# Altium PCB 75100_407_v5.0.PcbDoc (part 2 of 2)
Units mil, origin at the board's own origin, x right, y up, seen from the top; angles counter-clockwise.
Board outline 2985 x 1655 mil, 4 copper layers (Top Layer, Signal Layer 1, Signal Layer 2, Bottom Layer), stack 30.634 mil thick; 141 components, 93 nets, 559 pads, 408 vias.
Unrouted connection lines stored in the file: 2.
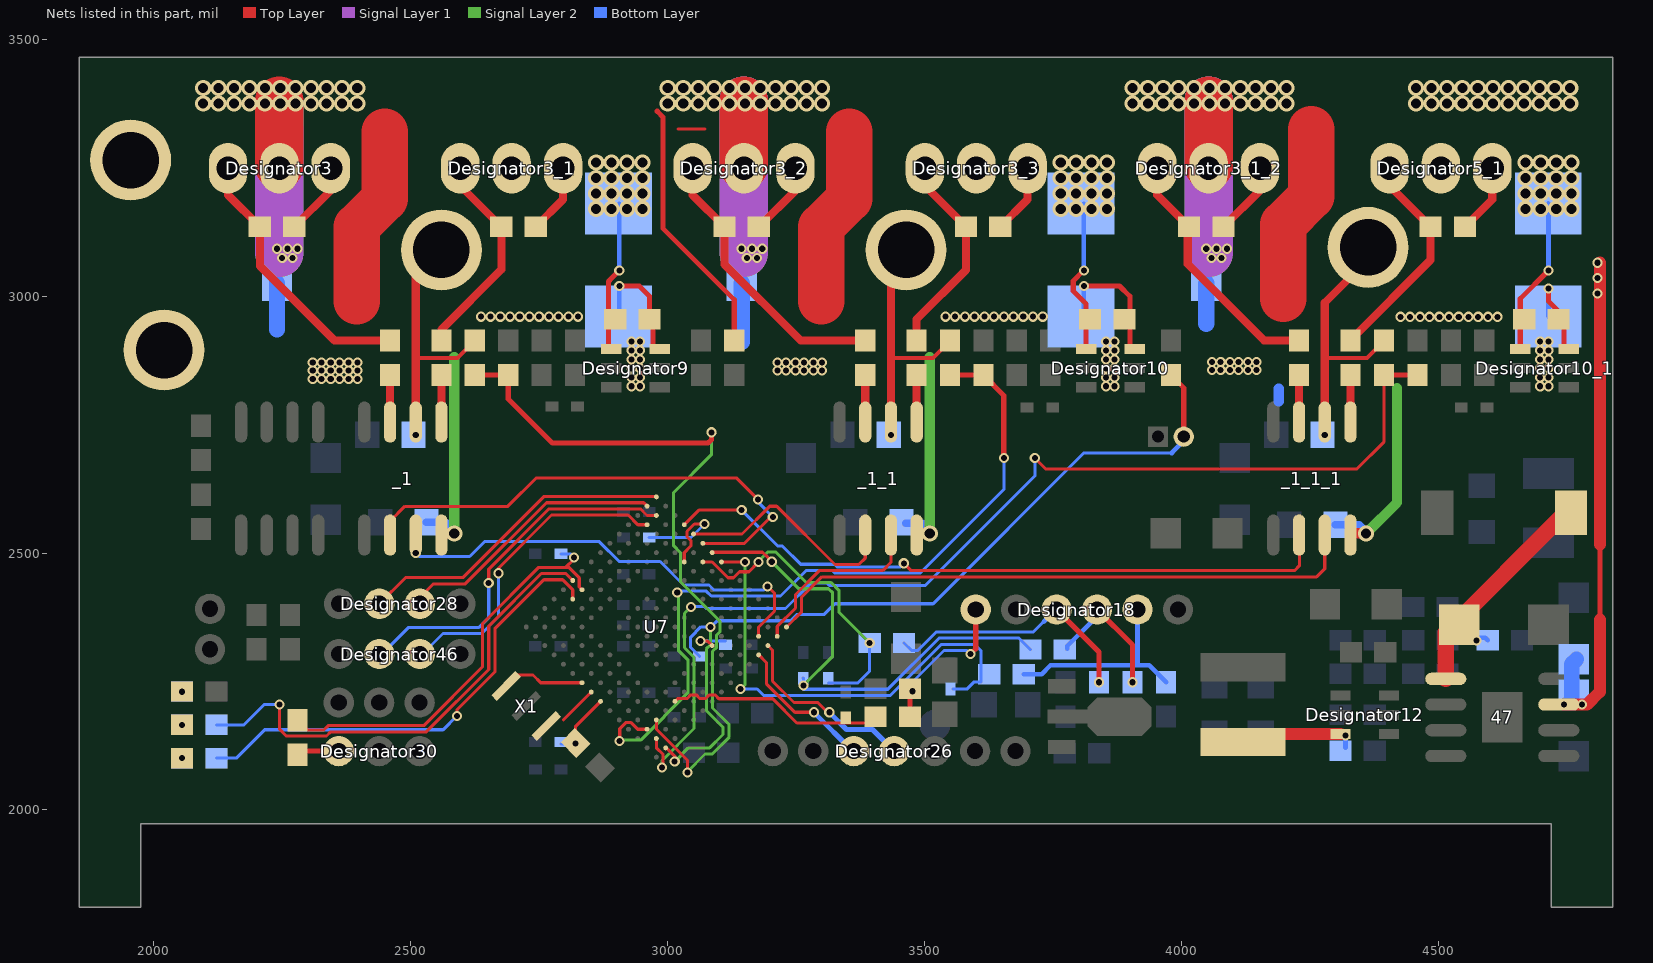
[diagram p4: the nets of this part, all layers, seen from the top]

## Via types
v1: diameter 19.68, hole 11.81, Top Layer to Bottom Layer, 253 vias
v2: diameter 31.5, hole 19.68, Top Layer to Bottom Layer, 155 vias

## Nets (pads, with @x,y where several pads share a name; then routed paths per layer and width w, separated by ;. In a path a pad name is that pad's centre, name@x,y a point inside that pad or via, vN(x,y) a via of type N, cw(c..) or ccw(c..) an arc to the next point about the centre after c; other vN are vias at no path point) (continued)
H1: _1.2@2460,2535 U7.F15 | length 972.1
  Top Layer w6: _1.2@2460,2562.03 2488.76,2590.79 2689.38,2590.79 2744.98,2646.39 3134.11,2646.39 v1(3176.5,2604) ; U7.F15@3068.86,2518.86 3149.94,2518.86 3201.08,2570 v1(3205,2570)
  Bottom Layer w6: v1(3176.5,2604) 3176.5,2598.5 v1(3205,2570)
H2: _1_1.2@3385,2535 U7.E15 | length 453.7
  Top Layer w6: U7.E15@3050.76,2536.95 3144.95,2536.95 3198.95,2590.95 3212.56,2590.95 3325.95,2477.57 3372.57,2477.57 3385,2490 _1_1.2@3385,2535
H3: _1_1_1.2@4229.41,2535 U7.D15 | length 1327.8
  Top Layer w6: U7.D15@3032.67,2555.05 3061.12,2583.5 v1(3144.5,2583.5) ; v1(3460,2480) 3474.43,2465.57 4220.57,2465.57 4230,2475 4230,2534.41 _1_1_1.2@4229.41,2535
  Bottom Layer w6: v1(3144.5,2583.5) 3214.5,2513.5 3223.68,2513.5 3259.11,2478.08 3325.13,2478.08 3330.05,2473.16 3453.16,2473.16 v1(3460,2480)
ha1: 3_7.2 37.2 Designator18.5 | length 411
  Bottom Layer w9: 3_7.2@3693.46,2264.18 3728.31,2264.18 3745.55,2281.42 3937.61,2281.42 37.2@3970.56,2248.46 ; Designator18.5@3905.65,2390 Designator18.5@3914.96,2390 Designator18.5@3914.96,2390 3915,2286.19
ha2: 3_6.2 38.2 Designator18.4 | length 269.9
  Top Layer w10: Designator18.4@3836.22,2390 3905,2321.22 v1(3905,2248.46)
  Bottom Layer w9: 3_6.2@3778.46,2314 3778.46,2319 3836.22,2376.76 Designator18.4@3836.22,2390
ha3: 3_5.1 39.2 Designator18.3 | length 511.3
  Top Layer w10: Designator18.3@3757.48,2390 3840,2307.48 v1(3840,2248.46)
  Bottom Layer w6: 3_5.1@3460.56,2325 3475.25,2310.31 3487.47,2310.31 3523.75,2346.59 3712.53,2346.59 3732.1,2366.16
  Bottom Layer w9: 3732.1,2366.16 Designator18.3@3756.71,2390.77
hall1: 3_7.1 Designator44.1 U7.H15 | length 941.9
  Top Layer w6: U7.H15@3105.05,2482.67 v1(3151.17,2482.67)
  Signal Layer 2 w6: v1@3142.5,2230.85 v1(3142.5,2235.35) 3151.17,2244.01 v1(3151.17,2482.67)
  Bottom Layer w6: v1(3142.5,2235.35) 3174.65,2235.35 3187.26,2222.74 3433.84,2222.74 3533.41,2322.31 3597.8,2322.31 3610,2310.11 3610,2248.54 3596.17,2248.54 3582.63,2235 Designator44.1@3555.87,2235
hall2: 3_6.1 Designator45.1 U7.G15 | length 986.1
  Top Layer w6: U7.G15@3086.95,2500.76 3087.7,2501.51 3184.8,2501.51 3195.84,2490.47 3195.84,2490.16 v1(3203,2483)
  Signal Layer 2 w6: v1(3203,2483) 3255.5,2430.5 3313.6,2430.5 3321.49,2422.61 3321.49,2298.91 v1(3264.58,2242)
  Bottom Layer w6: Designator45.1@3264.04,2256.34 3265.08,2255.3 3265.08,2234.74 3428.87,2234.74 3528.72,2334.59 3683.95,2334.59 3_6.1@3706.54,2312
hall3: 3_5.2 Designator43.1 U7.G14 | length 602
  Top Layer w6: U7.G14@3068.86,2482.67 3087.02,2482.67 3117.86,2451.82 3128.43,2451.82 3140.1,2463.5 3158.65,2463.5 3177,2481.85 v1(3177,2482.67)
  Signal Layer 2 w6: v1(3177,2482.67) 3177,2483.65 3195.2,2501.84 3210.8,2501.84 3270.15,2442.5 3318.57,2442.5 3333.49,2427.58 3333.49,2385.14 v1(3393.63,2325)
  Bottom Layer w6: Designator43.1@3313.5,2246.74 3370,2246.74 3393.63,2270.37 v1(3393.63,2325)
L1: _1.3 U7.P13 | length 892
  Top Layer w6: U7.P13@3177.43,2337.91 3177.43,2356.06 3208.27,2386.91 3208.27,2421.73 v1(3195,2435)
  Top Layer w7.87: v1(2510,2500) _1.3@2510,2535
  Bottom Layer w6: v1(2510,2500) 2516.84,2493.16 2614.93,2493.16 2643.89,2522.12 2867.21,2522.12 2905.84,2483.5 2985.65,2483.5 3031.3,2437.84 3080.72,2437.84 3090.4,2428.16 3188.16,2428.16 v1(3195,2435)
L2: _1_1.3 U7.R14 | length 361
  Top Layer w6: U7.R14@3213.62,2337.9 3213.62,2357.13 3249.16,2392.66 3249.16,2419.22 3295.51,2465.57 3418.75,2465.57 3435,2481.82 _1_1.3@3435,2535
L3: _1_1_1.3 U7.R15 | length 1177.1
  Top Layer w6: U7.R15@3231.72,2356 3261.16,2385.44 3261.16,2414.25 3300.48,2453.57 4263.57,2453.57 4279.41,2469.41 _1_1_1.3@4279.41,2535
ledb: 3.1@2055,2230.61 44.1
  other v1: 2055,2230
ledg: 4.1@2055,2165.61 43.1
  other v1: 2055,2165.61
ledgreen: 43.2 U7.A6 | length 954.5
  Top Layer w6: v1(2245,2205) 2245,2156.64 2257.83,2143.81 2336.38,2143.81 2344.51,2151.94 2530.62,2151.94 2652,2273.32 2652,2357.62 2754.38,2460 2802,2460 U7.A6@2815.52,2446.48
  Bottom Layer w6: 43.2@2121.93,2165.61 2175.61,2165.61 2215,2205 v1(2245,2205) v1@2250,2205
ledr: 5.1@2055,2100.61 42.1
  other v1: 2055,2100.61
ledred: 42.2 U7.B5 | length 919.9
  Top Layer w6: v1(2590,2182.63) 2590,2194.35 2664,2268.35 2664,2352.65 2759.35,2448 2795.84,2448 2815.52,2428.32 U7.B5@2815.52,2410.29
  Bottom Layer w6: 42.2@2121.93,2100.61 2160.61,2100.61 2216,2156 2563.37,2156 v1(2590,2182.63)
nrf_rx: Designator46.3 U7.B13 | length 637
  Top Layer w6: v1(2670.94,2460.57) 2670.94,2470.53 2774.3,2573.89 2923.41,2573.89 2942.25,2555.05 U7.B13@2960.29,2555.05
  Bottom Layer w6: Designator46.3@2517.95,2298.32 2562.97,2343.34 2638.31,2343.34 2670.94,2375.97 v1(2670.94,2460.57)
  Bottom Layer w9: Designator46.3@2517.95,2298.32 Designator46.3@2517.95,2303.32 Designator46.3@2517.95,2315.68
nrf_tx: Designator46.2 U7.B14 | length 719
  Top Layer w6: v1(2652,2441.45) 2652,2468.56 2769.33,2585.89 2947.47,2585.89 2960.22,2573.14 U7.B14@2978.38,2573.14
  Bottom Layer w6: Designator46.2@2439.21,2298.32 2496.23,2355.34 2633.34,2355.34 2652,2374 v1(2652,2441.45)
nrst: 32.2 Designator47.1 U7.J1 | length 131.2
  Top Layer w6: 32.2@2821.34,2130 2821.34,2162.76 U7.J1@2869.81,2211.24
  Bottom Layer w6: Designator47.1@2792.5,2128.05 v1@2821.34,2128.05
  Bottom Layer w9: v1@2821.34,2128.05 v1(2821.34,2129.12)
pc6: 
pc7: 
pc8: 
PGND: 1.2@3144.41,3020 2.2 30.1 31.1 34.1 ?.2 _1.2@2530.74,2560.15 _1.4 _1_1.2@3455.74,2560.15 _1_1.4 _1_1_1.2@4300.15,2555.15 _1_1_1.4 Designator9.3 Designator10.3 Designator10_1.3 pad.0@2020,2895 R11_1.1 R11_2.1 R11_3.1 | length 2246.5
  Top Layer w10: v1(2906.18,3020) 2945,3020 2965.09,2999.91 30.1@2965.09,2955 2971.92,2948.17 Designator9.3@2971.92,2897.4 ; v1(3810.59,3020) 3880,3020 3900,3000 Designator10.3@3900,2900 ; v1(4715,3015) 4715,2990 4734.58,2970.42 34.1@4734.58,2955 4745,2944.58 Designator10_1.3@4745,2900
  Top Layer w20: _1.4@2562.65,2537.65 v2@2584.97,2538.8 ; _1_1.4@3488.24,2538.24 v2(3510.59,2538.24) v2@3515.59,2538.24 ; _1_1_1.4@4332.65,2538.24 v2(4360,2538.24)
  Signal Layer 2 w20: v2@2585,2538.81 2585,2881.15 ; v2@3510.59,2538.81 3510.59,2881.15 ; v2(4360,2538.24) 4420,2598.24 4420,2821.42
  Bottom Layer w9: R11_1.1@2906.18,2960.76 v1(2906.18,3020) ; R11_3.1@3810.59,2960.76 v1(3810.59,3020) ; R11_2.1@4715,2960.76 v1(4715,3015)
  Bottom Layer w15: _1.2@2530.74,2560.15 2567.5,2560.15 v2@2585,2538.81 ; _1_1.2@3464.41,2558.14 3495.7,2558.14 v2@3515.59,2538.24 ; _1_1_1.2@4300.15,2555.15 4346.58,2555.15 4359.41,2542.32 v2@4359.41,2532.65
  Bottom Layer w20: 4190,2795 4190,2820
  Bottom Layer w31.5: 2240,2935 ?.2@2240,3025 ; 3144.41,2910.59 1.2@3144.41,3025 ; 4048.82,2946.18 2.2@4048.82,3025
  other v1: 2930.03,2824.63 2946.18,2824.63 3853.85,2824.63 3870,2824.63 4698.85,2824.63 4715,2824.63 2309.49,2838.85 2326.4,2838.85 2344.49,2838.85 2361.4,2838.85 2379.49,2838.85 2396.4,2838.85 2930.03,2841.54 2946.18,2841.54 3853.85,2841.54 3870,2841.54 4698.85,2841.54 4715,2841.54 2309.49,2855 2326.4,2855 2344.49,2855 2361.4,2855 2379.49,2855 2396.4,2855 3213.9,2855 3230.81,2855 3248.9,2855 3265.81,2855 3283.9,2855 3300.81,2855 4060,2856.02 4076.91,2856.02 4095,2856.02 4111.91,2856.02 4130,2856.02 4146.91,2856.02 2930.03,2859.63 2946.18,2859.63 3853.85,2859.63 3870,2859.63 4698.85,2859.63 4715,2859.63 2309.49,2871.15 2326.4,2871.15 2344.49,2871.15 2361.4,2871.15 2379.49,2871.15 2396.4,2871.15 3213.9,2871.15 3230.81,2871.15 3248.9,2871.15 3265.81,2871.15 3283.9,2871.15 3300.81,2871.15 4060,2872.18 4076.91,2872.18 4095,2872.18 4111.91,2872.18 4130,2872.18 4146.91,2872.18 2930.03,2876.54 2946.18,2876.54 3853.85,2876.54 3870,2876.54 4698.85,2876.54 4715,2876.54 2930.03,2894.63 2946.18,2894.63 3853.85,2894.63 3870,2894.63 4698.85,2894.63 4715,2894.63 2930.03,2911.54 2946.18,2911.54 3853.85,2911.54 3870,2911.54 4698.85,2911.54 4715,2911.54 2636.65,2960 2655.59,2960 2674.53,2960 2693.47,2960 2712.4,2960 2731.34,2960 2750.28,2960 2769.22,2960 2788.15,2960 2807.09,2960 2826.03,2960 3541.06,2960 3560,2960 3578.94,2960 3597.87,2960 3616.81,2960 3635.75,2960 3654.69,2960 3673.62,2960 3692.56,2960 3711.5,2960 3730.44,2960 4426.65,2959.84 4445.59,2959.84 4464.53,2959.84 4483.47,2959.84 4502.4,2959.84 4521.34,2959.84 4540.28,2959.84 4559.22,2959.84 4578.15,2959.84 4597.09,2959.84 4616.03,2959.84
  other v2: 2585,2538.24
ppm: 46.2 Designator30.1 | length 65.1
  Top Layer w10: 46.2@2295,2114.42 Designator30.1@2360.06,2114.42
rc1: U7.G1 X1.3 | length 162.7
  Top Layer w6: X1.3@2707.47,2262.4 2738.1,2262.4 2753.07,2247.43 U7.G1@2833.62,2247.43
  Top Layer w7.87: X1.3@2686.03,2240.95 X1.3@2707.47,2262.4
rc2: U7.H1 X1.1 | length 76.8
  Top Layer w6: 2797.38,2175 U7.H1@2851.72,2229.33
rx: Designator26.4 U7.R13 | length 371.2
  Top Layer w6: U7.R13@3195.52,2319.81 3204.34,2310.99 3204.34,2250.63 3246.13,2208.84 3292.8,2208.84 3311.65,2190 v1(3315,2190)
  Bottom Layer w10: v1@3315,2195 v1(3315,2190) 3348.58,2156.42 3399.29,2156.42 Designator26.4@3441.29,2114.42
S1: 7.1 8.1 U7.N3 | length 1483
  Top Layer w6: U7.N3@2978.38,2175.05 2978.91,2175.58 2978.91,2156.49 3039,2096.4 v1(3039,2072.5)
  Top Layer w10: 7.1@2625,2846.54 8.1@2690,2846.54 2690,2800 2775.84,2714.16 3079.1,2714.16 3085.5,2720.56 v1(3085.5,2735)
  Signal Layer 2 w6: v1(3039,2072.5) 3039,2074.5 3073.16,2108.66 3087.13,2108.66 3120.07,2141.6 3120.07,2166.04 3087.66,2198.46 3087.66,2308.54 3095.63,2316.51 3095.63,2340.53 3102.47,2347.38 3102.47,2366.68 3025.3,2443.84 3025.3,2500.7 3012.04,2513.96 3012.04,2617.75 3085.5,2691.21 v1(3085.5,2735) ; v1@3089.15,2732.5 v1@3092,2732.5
S2: 9.1 10.1 U7.N2 | length 1498.8
  Top Layer w6: v1(2906.61,2134) 2907.16,2134.55 2907.16,2158.05 2918.81,2169.7 2929.38,2169.7 2942.13,2156.95 U7.N2@2960.29,2156.95
  Top Layer w10: 9.1@3550,2846.54 10.1@3615,2846.54 3654.69,2806.85 v1(3654.69,2685)
  Signal Layer 2 w6: v1(2906.61,2134) 2908.45,2135.84 2947.82,2135.84 3039.66,2227.68 3039.66,2292.25 3021.16,2310.75 3021.16,2421.34 v1(3019,2423.5)
  Bottom Layer w6: v1(3019,2423.5) 3021.34,2425.84 3075.75,2425.84 3085.43,2416.16 3219.92,2416.16 3269.84,2466.08 3320.16,2466.08 3325.08,2461.16 3492.22,2461.16 3654.69,2623.63 v1(3654.69,2685)
S3: 11.1 12.1 U7.P2 | length 2133.6
  Top Layer w6: U7.P2@2978.38,2138.86 2978.38,2120.83 2991.5,2107.71 v1@2991.5,2085 ; v1(3715,2685) 3736.84,2663.16 4341.4,2663.16 4395,2716.76 11.1@4395,2846.54
  Top Layer w10: 11.1@4395,2846.54 12.1@4460,2846.54
  Signal Layer 2 w6: v1@2989.2,2085 2989.2,2095.78 3051.66,2158.25 3051.66,2297.22 3033.16,2315.72 3033.16,2382.66 v1(3045.5,2395)
  Bottom Layer w6: v1(3045.5,2395) 3048.34,2392.16 3052.03,2395.84 3071.8,2395.84 3075.49,2392.16 3229.86,2392.16 3279.78,2442.08 3310.22,2442.08 3315.14,2437.16 3502.16,2437.16 3715,2650 v1(3715,2685)
  other v1: 2989.2,2082.5
servo: 46.1 Designator33.1 U7.B6 | length 824.7
  Top Layer w6: 46.1@2284.29,2170 2298.49,2155.81 2331.41,2155.81 2339.54,2163.94 2525.65,2163.94 2640,2278.29 2640,2362.59 2749.41,2472 2802,2472 ; v1(2818,2491.5) 2818,2488 2802,2472 ; U7.B6@2833.62,2428.38 2828.27,2433.73 2828.27,2451.76 2808.03,2472 2802,2472
  Top Layer w10: 46.1@2280,2174.29 46.1@2284.29,2170
  Bottom Layer w6: Designator33.1@2792.5,2498.32 2811.18,2498.32 v1(2818,2491.5)
sw1: 13.1 14.2 47.5 _2.1@4596.54,2330 | length 453.8
  Top Layer w31.5: 47.5@4515,2255 4515,2345 4748,2578 13.1@4758.67,2578
  Bottom Layer w9: _2.1@4575,2335 4591.54,2335 _2.1@4596.54,2330
  other v1: 4575,2330
sw2: 16.1 19.2 Designator12.6 | length 198
  Top Layer w23.62: 16.1@4135.43,2147.6 Designator12.6@4310,2147.6
  Bottom Layer w10: 19.2@4320,2121.54 v1(4320,2145)
swclk: Designator28.3 U7.A14 | length 533.8
  Top Layer w6: Designator28.3@2517.95,2401.16 2517.95,2413.52 2544.38,2439.94 2606.42,2439.94 2764.36,2597.89 2953.63,2597.89 U7.A14@2960.29,2591.24
swdio: Designator28.2 U7.A15 | length 626.9
  Top Layer w6: Designator28.2@2439.21,2401.16 2490,2451.94 2601.44,2451.94 2759.89,2610.39 2978.38,2610.39 U7.A15@2978.38,2609.33
tm: 49.2 Designator34.1 U7.N5 | length 440.1
  Top Layer w6: U7.N5@3014.57,2211.24 3019.92,2216.58 3037.95,2216.58 3045.35,2223.99 3056.04,2223.99 3063.45,2216.58 3074.14,2216.58 3081.54,2223.99 3092.36,2223.99 3100.02,2216.33 3204.7,2216.33 3251.87,2169.16 49.2@3390.11,2169.16
  Top Layer w10: 49.2@3390.11,2169.16 3394.64,2173.69 49.2@3418.69,2173.69
tmos: 1.2@4005,2726.54 21_2.1 Designator41.2 U7.R2 | length 1678.2
  Top Layer w6: U7.R2@2996.48,2120.76 2997.66,2120.76 3015,2103.43 3014.04,2102.47 v1(3014.04,2093.98)
  Top Layer w10: 21_2.1@3980,2846.54 4005,2821.54 1.2@4005,2741.54
  Signal Layer 2 w6: v1(3014.04,2093.98) 3040.72,2120.66 3082.16,2120.66 3108.07,2146.57 3108.07,2161.07 3075.66,2193.49 3075.66,2313.51 3083.63,2321.48 v1@3083.63,2355.18
  Bottom Layer w6: Designator41.2@3062.52,2298.67 3045.16,2316.03 3045.16,2336.3 3065.03,2356.18 v1(3083.63,2356.18) 3084.63,2356.18 3096.6,2368.16 3239.8,2368.16 3252.22,2380.58 3305.25,2380.58 3325.83,2401.16 3517.07,2401.16 3810.91,2695 3981.68,2695 ; 1.2@4005,2718.32 1.2@4005,2726.54 1.2@4005,2741.54
  Bottom Layer w10: 3981.68,2695 1.2@4005,2718.32
tmot: 36.2 49.1 Designator18.1@3600,2390 | length 299.8
  Top Layer w10: 49.1@3471.93,2181.07 36.2@3471.93,2230.95 ; v1(3590,2303.46) 3600,2313.46 Designator18.1@3600,2390
  Bottom Layer w6: v1(3476.93,2230.95) 3476.93,2248.86 3538.38,2310.31 3583.16,2310.31 v1(3590,2303.46)
tx: Designator26.3 U7.R12 | length 285.6
  Top Layer w6: U7.R12@3177.43,2301.71 3192.34,2286.8 3192.34,2245.66 3248,2190 v1(3285,2190)
  Bottom Layer w10: v1@3284.85,2189.85 Designator26.3@3360.98,2113.73
U: 4.1@2273.46,3135 7.2 _1.2@2505.74,2730.15 _1.6 Designator3.3 Designator3_1.2 pad.0@2560,3090 | length 622.3
  Top Layer w7.87: 2510,2880 2591.54,2880 7.2@2625,2913.46
  Top Layer w15.75: 4.1@2273.46,3135 2344.49,3206.02 Designator3.3@2344.49,3248.98 ; _1.6@2510,2735 _1.6@2510,2755 2510,2880 pad.0@2510,3085
  other v1: 2510,2730
u_h: 3.1@2460,2846.54 _1.7 | length 111.5
  Top Layer w15.75: _1.7@2460,2735 3.1@2460,2846.54
u_l: 5.1@2560,2846.54 _1.5 | length 111.5
  Top Layer w15.75: _1.5@2560,2735 5.1@2560,2846.54
uh: 3.2@2460,2913.46 4.2@2206.54,3135 Designator3.1 | length 529.7
  Top Layer w15.75: Designator3.1@2144.49,3248.98 2144.49,3197.05 4.2@2206.54,3135 2206.54,3058.46 2351.54,2913.46 3.2@2460,2913.46
ul: 5.2@2560,2913.46 6.2 Designator3_1.1 | length 416.9
  Top Layer w15.75: 5.2@2560,2913.46 2560,2935 2676.54,3051.54 6.2@2676.54,3135 2596.69,3214.84 Designator3_1.1@2596.69,3248.98
UR: 6.1 30.2 Designator3_1.3 Designator9.4 R11_1.2 | length 429.5
  Top Layer w7.87: Designator9.4@2880,2897.4 Designator9.4@2885.34,2902.74
  Top Layer w10: Designator9.4@2885.34,2902.74 2885.34,3028.63 2887.95,3031.24 2887.95,3031.77 v1(2906.18,3050)
  Top Layer w15.75: 6.1@2743.46,3135 2796.69,3188.23 Designator3_1.3@2796.69,3248.98
  Bottom Layer w9: v1(2906.18,3050) R11_1.2@2906.18,3180.05
  other v2: 2861.18,3170 2891.18,3170 2921.18,3170 2951.18,3170 2861.18,3200 2891.18,3200 2921.18,3200 2951.18,3200 2861.18,3230 2891.18,3230 2921.18,3230 2951.18,3230 2861.18,3260 2891.18,3260 2921.18,3260 2951.18,3260
V: 4_1.1 9.2 _1_1.2@3430.74,2730.15 _1_1.6 Designator3_2.3 Designator3_3.2 pad.0@3464.41,3090 | length 611.7
  Top Layer w7.87: 3435,2880 3516.54,2880 9.2@3550,2913.46
  Top Layer w15.75: 4_1.1@3177.87,3135 3248.9,3206.02 Designator3_2.3@3248.9,3248.98 ; _1_1.6@3435,2735 _1_1.6@3435,2755 3435,2880 pad.0@3435,3074.41
  other v1: 3435,2730
v_h: 3_1.1 _1_1.7 | length 111.5
  Top Layer w15.75: _1_1.7@3385,2735 3_1.1@3385,2846.54
v_l: 5_1.1 _1_1.5 | length 111.5
  Top Layer w15.75: _1_1.5@3485,2735 5_1.1@3485,2846.54
vb: 47.3 _1_1_2.2 _1_1_3.1 | length 1023.5
  Top Layer w6: 47.3@4735,2205 v1(4745,2205)
  Top Layer w10: 4815,2370 4815,2516.87
  Top Layer w23.62: v1(4745,2205) v1(4780,2205) 4790,2205 4815,2230 4815,2370 ; 4815,2516.87 4815,2680 4815,2740 4815,2751.19 v1@4815,3065
  Bottom Layer w20: v1(4745,2205) _1_1_3.1@4760,2220
  Bottom Layer w30: _1_1_3.1@4760,2220 4760,2283.66 _1_1_2.2@4769.41,2293.07
  other v1: 4810,3005 4810,3035 4810,3065
VBAT: 1.1@3144.41,3140 2.1 29.2 ?.1 Designator3.2 Designator3_1_2.2 Designator3_2.2 pad.0@1955,3265 | length 4063.8
  Top Layer w6: 3021,3325 3072.87,3325
  Top Layer w10: 2980,3360 2991,3349 2991,3131.97 3130,2992.97 29.2@3130,2913.46
  Top Layer w90: 2395,2990 2395,3135 2449.49,3189.49 2449.49,3320 ; 3299.41,2990 3299.41,3135 3353.9,3189.49 3353.9,3320 ; 4198.82,2995 4198.82,3140 4253.31,3194.49 4253.31,3325
  Top Layer w94.49: Designator3.2@2244.49,3253.98 v2@2244.49,3380 ; Designator3_2.2@3148.9,3253.98 v2@3148.9,3380 ; Designator3_1_2.2@4053.31,3253.98 v2@4053.31,3380
  Signal Layer 1 w94.49: v1@2244.49,3084.49 Designator3.2@2244.49,3248.98 2244.49,3325 ; v1@3148.9,3084.49 Designator3_2.2@3148.9,3248.98 ; Designator3_2.2@3148.9,3253.98 v2@3148.9,3380 ; v1@4053.31,3084.49 Designator3_1_2.2@4053.31,3248.98 ; Designator3_1_2.2@4053.31,3253.98 v2@4053.31,3380
  Signal Layer 2 w94.49: v1@2244.49,3084.49 Designator3.2@2244.49,3248.98 v2@2244.49,3370 ; v1@3148.9,3084.49 Designator3_2.2@3148.9,3248.98 ; Designator3_2.2@3148.9,3253.98 v2@3148.9,3380 ; v1@4053.31,3084.49 Designator3_1_2.2@4053.31,3248.98 ; Designator3_1_2.2@4053.31,3253.98 v2@4053.31,3380
  Bottom Layer w31.5: 2.1@4048.82,3145 2.1@4053.31,3149.49
  Bottom Layer w94.49: Designator3.2@2244.49,3253.98 v2@2244.49,3375 ; Designator3_2.2@3148.9,3253.98 v2@3148.9,3380 ; Designator3_1_2.2@4053.31,3253.98 v2@4053.31,3380
  other v1: 2250,3074.49 2270,3074.49 3154.41,3074.49 3174.41,3074.49 4058.82,3074.49 4078.82,3074.49 2240,3092.24 2260,3092.24 2280,3092.24 3144.41,3092.24 3164.41,3092.24 3184.41,3092.24 4048.82,3092.24 4068.82,3092.24 4088.82,3092.24
  other v2: 2096.18,3375 2126.18,3375 2156.18,3375 2186.18,3375 2216.18,3375 2246.18,3375 2276.18,3375 2306.18,3375 2336.18,3375 2366.18,3375 2396.18,3375 3000.59,3375 3030.59,3375 3060.59,3375 3090.59,3375 3120.59,3375 3150.59,3375 3180.59,3375 3210.59,3375 3240.59,3375 3270.59,3375 3300.59,3375 3905,3375 3935,3375 3965,3375 3995,3375 4025,3375 4055,3375 4085,3375 4115,3375 4145,3375 4175,3375 4205,3375 4457.2,3375 4487.2,3375 4517.2,3375 4547.2,3375 4577.2,3375 4607.2,3375 4637.2,3375 4667.2,3375 4697.2,3375 4727.2,3375 4757.2,3375 2096.18,3405 2126.18,3405 2156.18,3405 2186.18,3405 2216.18,3405 2246.18,3405 2276.18,3405 2306.18,3405 2336.18,3405 2366.18,3405 2396.18,3405 3000.59,3405 3030.59,3405 3060.59,3405 3090.59,3405 3120.59,3405 3150.59,3405 3180.59,3405 3210.59,3405 3240.59,3405 3270.59,3405 3300.59,3405 3905,3405 3935,3405 3965,3405 3995,3405 4025,3405 4055,3405 4085,3405 4115,3405 4145,3405 4175,3405 4205,3405 4457.2,3405 4487.2,3405 4517.2,3405 4547.2,3405 4577.2,3405 4607.2,3405 4637.2,3405 4667.2,3405 4697.2,3405 4727.2,3405 4757.2,3405
vcap1: Designator21.2 U7.M10 | length 75.6
  Top Layer w6: v1(3064,2328.5) 3078.26,2328.5 U7.M10@3086.95,2319.81
  Bottom Layer w6: v1(3064,2328.5) Designator21.2@3113,2328.5
vcap2: Designator20.1 U7.F13 | length 226.2
  Top Layer w6: U7.F13@3032.67,2482.67 3032.67,2500.83 3045.42,2513.58 3045.42,2524.27 3038.01,2531.67 3038.01,2542.23 3052.28,2556.5 v1(3072,2556.5)
  Bottom Layer w6: Designator20.1@2964.48,2530.33 3045.83,2530.33 v1(3072,2556.5)
vh: 3_1.2 4_1.2 Designator3_2.1 | length 548.3
  Top Layer w15.75: Designator3_2.1@3048.9,3248.98 3048.9,3197.05 4_1.2@3110.94,3135 3110.94,3061.91 3259.39,2913.46 3_1.2@3385,2913.46
vl: 5_1.2 6_1.2 Designator3_3.1 | length 408.3
  Top Layer w15.75: 5_1.2@3485,2913.46 3485,2955 3580.94,3050.94 6_1.2@3580.94,3135 3501.1,3214.84 Designator3_3.1@3501.1,3248.98
VR: 6_1.1 31.2 Designator3_3.3 Designator10.4 R11_3.2 | length 444.5
  Top Layer w10: Designator10.4@3805,2895 3815,2905 3815,2985 3789.75,3010.25 3789.75,3029.75 v1@3810.3,3050.3
  Top Layer w15.75: 6_1.1@3647.87,3135 3701.1,3188.23 Designator3_3.3@3701.1,3248.98
  Bottom Layer w9: v1(3810.59,3050) R11_3.2@3810.59,3180.05
  other v2: 3765.59,3170 3795.59,3170 3825.59,3170 3855.59,3170 3765.59,3200 3795.59,3200 3825.59,3200 3855.59,3200 3765.59,3230 3795.59,3230 3825.59,3230 3855.59,3230 3765.59,3260 3795.59,3260 3825.59,3260 3855.59,3260
W: 4_2.1 11.2 _1_1_1.2@4275.15,2730.15 _1_1_1.6 Designator3_1_2.3 Designator5_1.2 pad.0@4363.82,3095 | length 675.1
  Top Layer w7.87: 4279.41,2880 4361.54,2880 11.2@4395,2913.46
  Top Layer w15.75: 4_2.1@4082.28,3135 4153.31,3206.02 Designator3_1_2.3@4153.31,3248.98 ; _1_1_1.6@4279.41,2735 _1_1_1.6@4279.41,2755 4279.41,2880 4279.41,2987.09 pad.0@4370,3077.68 ; pad.0@4323.82,3090 pad.0@4339.41,3074.41
  other v1: 4279.41,2730
w_h: 3_1_1.1 _1_1_1.7 | length 111.5
  Top Layer w15.75: _1_1_1.7@4229.41,2735 3_1_1.1@4229.41,2846.54
w_l: 5_1_1.1 _1_1_1.5 | length 111.5
  Top Layer w15.75: _1_1_1.5@4329.41,2735 5_1_1.1@4329.41,2846.54
wh: 3_1_1.2 4_2.2 Designator3_1_2.1 | length 503.8
  Top Layer w15.75: Designator3_1_2.1@3953.31,3248.98 3953.31,3197.05 4_2.2@4012.68,3137.68 ; 4_2.2@4015.35,3135 4_2.2@4012.68,3137.68 ; 4_2.2@4020,3145 4_2.2@4012.68,3137.68 ; 3_1_1.2@4229.41,2913.46 4161.54,2913.46 4012.68,3062.32 4_2.2@4012.68,3137.68
wl: 5_1_1.2 6_2.2 Designator5_1.1 | length 428.7
  Top Layer w15.75: 5_1_1.2@4331.91,2916.91 4485.35,3070.35 6_2.2@4485.35,3135 4405.51,3214.84 Designator5_1.1@4405.51,3248.98
WR: 6_2.1 34.2 Designator5_1.3 Designator10_1.4 R11_2.2 | length 442
  Top Layer w10: Designator10_1.4@4660,2897.4 4660,2995 v1(4715,3050)
  Top Layer w15.75: 6_2.1@4552.28,3135 4605.51,3188.23 Designator5_1.3@4605.51,3248.98
  Bottom Layer w9: R11_2.2@4714.65,3180.4 4715,3180.05 v1(4715,3050)
  other v2: 4670,3170 4700,3170 4730,3170 4760,3170 4670,3200 4700,3200 4730,3200 4760,3200 4670,3230 4700,3230 4730,3230 4760,3230 4670,3260 4700,3260 4730,3260 4760,3260
pads on no net: 47.2 _3.5 U7.A1 U7.A2 U7.A3 U7.A4 U7.A7 U7.A8 U7.A9 U7.A10 U7.A11 U7.A12 U7.A13 U7.B1 U7.B2 U7.B3 U7.B7 U7.B8 U7.B9 U7.B10 U7.B11 U7.B12 U7.C2 U7.C3 U7.C4 U7.C10 U7.C11 U7.C12 U7.C13 U7.C14 U7.D1 U7.D2 U7.D3 U7.D4 U7.D10 U7.D11 U7.D12 U7.D13 U7.D14 U7.E1 U7.E2 U7.E3 U7.E4 U7.E12 U7.E13 U7.E14 U7.F1 U7.F4 U7.F14 U7.G4 U7.H2 U7.H3 U7.H4 U7.H14 U7.J2 U7.J3 U7.J4 U7.J14 U7.J15 U7.K1 U7.K2 U7.K3 U7.K12 U7.K13 U7.K14 U7.K15 U7.L1 U7.L2 U7.L3 U7.L12 U7.L13 U7.L14 U7.L15 U7.M6 U7.M7 U7.M11 U7.M12 U7.M13 U7.M14 U7.M15 U7.N4 U7.N6 U7.N7 U7.N11 U7.N12 U7.N13 U7.N14 U7.N15 U7.P5 U7.P6 U7.P7 U7.P8 U7.P9 U7.P10 U7.P11 U7.P12 U7.P14 U7.P15 U7.R3 U7.R4 U7.R5 U7.R6 U7.R7 U7.R8 U7.R9 U7.R10 U7.R11

## Polygon pours and split planes (outlines as drawn)
3v3 on Top Layer "Top Layer-3v3" (solid, remove dead copper, pour order 112): 2685.08,2312.42 2685.08,2337.58 2685.75,2337.75 2978.5,2630.5 3242.36,2366.64 2936.61,2060.89 2925.61,2049.89 2867.5,2051 2839,2079.5 2863.33,2103.83 2863.33,2134.17
GND on Top Layer "Top Layer-GND 1" (solid, remove dead copper, pour order 106): 3010.02,2470.48 3010.25,2483.25 2985,2508.5 2845.25,2368.75 2928.3,2285.7 2989.06,2224.94 3128.81,2364.69 3087.07,2406.43 3088,2407.95 3085.67,2410.29 3077.21,2410.29 3077.21,2411.89 3061.9,2427.21 3053.29,2427.21
PGND on Top Layer "Top Layer-PGND" (solid, pour order 90): 1870,2805 2425,2805 2425,2890 2340,2890 2225,3005 1928.46,3005 1870,3005
VBAT on Top Layer "Top Layer-VBAT" (solid, pour order 86): 2395,2945 2359.49,2945 2230,3074.49 2230,3100 2410.5,3100
no net on Top Layer "Top Layer-No Net 1" (solid, pour order 84): 2295,3090
VBAT on Top Layer "Top Layer-VBAT 1" (solid, pour order 52): 4204.32,2950 4163.31,2950 4038.82,3074.49 4038.82,3100 4219.32,3100
VBAT on Top Layer "Top Layer-VBAT 2" (solid, pour order 50): 3299.41,2945 3263.9,2945 3134.41,3074.49 3134.41,3100 3314.91,3100
PGND on Top Layer "Top Layer-GND 2" (solid, pour order 28): 4418.62,2969.84 4488.62,3039.84 4508.62,3059.84 4625.59,3059.84 4625.59,2949.84 4418.62,2949.84
PGND on Top Layer "Top Layer-GND" (solid, pour order 16): 2628.62,2970 2698.62,3040 2698.62,3060 2835.59,3060 2835.59,2950 2628.62,2950
PGND on Top Layer "Top Layer-GND 2" (solid, pour order 8): 3533.03,2970 3603.03,3040 3603.03,3060 3740,3060 3740,2950 3533.03,2950
no net on Top Layer "Top Layer-No Net" (solid, pour order 6): 3570,2963.57
GND on Bottom Layer "Bottom Layer-GND" (solid, remove dead copper, pour order 4): 1870,2800 1870,1985 4824.45,1985 4824.45,2800
VBAT on Bottom Layer "Bottom Layer-VBAT" (solid, pour order 104): 2242.5,3065 2201.18,3106.32 2201.18,3350 2290,3261.18 2290,3080 2279.92,3069.92 2275,3065
VBAT on Bottom Layer "Bottom Layer-VBAT 1" (solid, pour order 102): 3146.91,3065 3105.59,3106.32 3105.59,3350 3194.41,3261.18 3194.41,3080 3184.33,3069.92 3179.41,3065
VBAT on Bottom Layer "Bottom Layer-VBAT 2" (solid, pour order 100): 4051.32,3065 4010,3106.32 4010,3350 4098.82,3261.18 4098.82,3080 4088.74,3069.92 4083.82,3065
no net on Bottom Layer "Bottom Layer-No Net 1" (solid, pour order 94): 2279.92,3065
W on Bottom Layer "Bottom Layer-V" (solid, pour order 88): 4115,3000 4553.82,3000 4553.82,3175 4553.82,3305 4454.94,3305 4454.94,3176.12 4453.82,3175 4353.82,3175 4353.82,3305 4115,3305
U on Bottom Layer "Bottom Layer-U" (solid, pour order 68): 2306.18,3000 2745,3000 2745,3175 2745,3305 2646.12,3305 2646.12,3176.12 2645,3175 2545,3175 2545,3305 2306.18,3305
V on Bottom Layer "Bottom Layer-V" (solid, pour order 66): 3210.59,3000 3649.41,3000 3649.41,3175 3649.41,3305 3550.53,3305 3550.53,3176.12 3549.41,3175 3449.41,3175 3449.41,3305 3210.59,3305
PGND on Bottom Layer "Bottom Layer-PGND" (solid, pour order 34): 1870,2810 1870,2985 4824.45,2985 4824.45,2810
GND on Bottom Layer "Bottom Layer-GND 1" (solid, pour order 26): 4535,2297.13 4670.73,2297.13 4705,2259.84 4720,2244.06 4720,2136.34 4556.23,2136.34 4535,2115.11
no net on Bottom Layer "Bottom Layer-No Net" (solid, pour order 20): 4714.65,2179.79
PGND on Signal Layer 1 "Signal Layer 2-PGND" (solid, pour order 92): 1870,2810 1870,2980 4820,2980 4820,2810
W on Signal Layer 1 "Signal Layer 1-W" (solid, pour order 80): 4553.82,3305 4553.82,3000 4118.82,3000 4118.82,3305 4357.64,3305 4357.64,3175 4457.64,3175 4458.76,3176.12 4458.76,3305
V on Signal Layer 1 "Signal Layer 1-V" (solid, pour order 78): 3649.41,3305 3649.41,3000 3214.41,3000 3214.41,3305 3453.23,3305 3453.23,3175 3553.23,3175 3554.35,3176.12 3554.35,3305
U on Signal Layer 1 "Signal Layer 1-U" (solid, pour order 76): 2745,3305 2745,3000 2310,3000 2310,3305 2548.82,3305 2548.82,3175 2648.82,3175 2649.94,3176.12 2649.94,3305
no net on Signal Layer 1 "Signal Layer 1-No Net" (solid, pour order 40): 2306.18,3180
no net on Signal Layer 1 "Signal Layer 1-No Net 1" (solid, pour order 38): 2306.18,3190
GND on Signal Layer 1 "Bottom Layer-GND" (solid, remove dead copper, pour order 30): 1870,2800 1870,1985 4820,1985 4820,2800
U on Signal Layer 2 "Signal Layer 2-U" (solid, pour order 74): 2746.18,3305 2746.18,2995 2311.18,2995 2311.18,3305 2550,3305 2550,3175 2650,3175 2651.12,3176.12 2651.12,3305
V on Signal Layer 2 "Signal Layer 2-V" (solid, pour order 72): 3650.59,3305 3650.59,2995 3215.59,2995 3215.59,3305 3454.41,3305 3454.41,3175 3554.41,3175 3555.53,3176.12 3555.53,3305
W on Signal Layer 2 "Signal Layer 2-W" (solid, pour order 70): 4555,3305 4555,2995 4120,2995 4120,3305 4358.82,3305 4358.82,3175 4458.82,3175 4459.94,3176.12 4459.94,3305
PGND on Signal Layer 2 "Signal Layer 2-PGND" (solid, pour order 36): 1870,2810 1870,2980 4820,2980 4820,2810
GND on Signal Layer 2 "Bottom Layer-GND" (solid, remove dead copper, pour order 32): 1870,2800 1870,1985 4820,1985 4820,2800
no net on Bottom Solder (solid): 4548.82,3290 4548.82,3005 4115,3005 4115,3290 4203.82,3290 4203.82,3165 4463.82,3165 4463.82,3290
no net on Bottom Solder (solid): 3644.41,3290 3644.41,3005 3210.59,3005 3210.59,3290 3299.41,3290 3299.41,3165 3559.41,3165 3559.41,3290
no net on Bottom Solder (solid, pour order 82): 2740,3290 2740,3005 2306.18,3005 2306.18,3290 2395,3290 2395,3165 2655,3165 2655,3290
no net on Top Solder (solid): 4111.4,3017.42 4111.4,3055 4209.32,3055 4202.32,2985 4143.82,2985
no net on Top Solder (solid): 2307.58,3012.42 2307.58,3050 2405.5,3050 2398.5,2980 2340,2980
no net on Top Solder (solid): 3211.99,3012.42 3211.99,3050 3309.91,3050 3302.91,2980 3244.41,2980

## Other copper
Top Layer:
  rectangle net vb: 4748,2995 4825,3085
  region net rc2: 2806.35,2176.04 2778.07,2204.33 2723.7,2149.96 2751.98,2121.67
  region net GND: 2767.38,2215.02 2739.1,2243.3 2684.73,2188.93 2713.01,2160.65
  region net rc1: 2728.41,2253.99 2700.12,2282.28 2645.75,2227.91 2674.04,2199.62
  rectangle net UR: 2761.18,3194.49 2971.92,3300
  rectangle net UR: 2834.65,3130 2971.92,3300
  rectangle net VR: 3665.59,3194.49 3884.41,3300
  rectangle net VR: 3739.06,3130 3884.41,3300
  rectangle net WR: 4643.46,3130 4788.82,3300
  rectangle net WR: 4570,3194.49 4788.82,3300
  rectangle net VBAT: 1865,3180 2074.65,3455
  rectangle net VBAT: 1865,3320 4825,3455
Signal Layer 1:
  rectangle net WR: 4643.46,3130 4780.74,3300
  rectangle net WR: 4570,3194.49 4780.74,3300
  rectangle net VR: 3739.06,3130 3876.33,3300
  rectangle net VR: 3665.59,3194.49 3876.33,3300
  rectangle net UR: 2834.65,3130 2971.92,3300
  rectangle net UR: 2761.18,3194.49 2971.92,3300
  rectangle net VBAT: 1865,3180 2074.65,3455
  rectangle net VBAT: 1865,3320 4825,3455
Signal Layer 2:
  rectangle net WR: 4643.46,3130 4780.74,3300
  rectangle net WR: 4570,3194.49 4780.74,3300
  rectangle net VR: 3739.06,3130 3876.33,3300
  rectangle net VR: 3665.59,3194.49 3876.33,3300
  rectangle net UR: 2834.65,3130 2971.92,3300
  rectangle net UR: 2761.18,3194.49 2971.92,3300
  rectangle net VBAT: 1865,3180 2074.65,3455
  rectangle net VBAT: 1865,3320 4825,3455
Bottom Layer:
  rectangle net GND: 4153,2775 4230,2800
  rectangle net WR: 4570,3130 4788.82,3300
  rectangle net VBAT: 1865,3180 2074.65,3455
  rectangle net VR: 3665.59,3130 3884.41,3300
  rectangle net VBAT: 1865,3320 4825,3455
  rectangle net UR: 2760,3130 2980,3300

## Silkscreen, mask and mechanical layers (free items; w line width, h text height)
Top Overlay:
  lines w7.87: 3447.56,2344 3467.56,2344 3447.56,2364 3482.56,2364 3467.56,2349 ; 3457.56,2344 3482.56,2344 ; 4035,2543.24 4020,2558.24 4020,2523.24 4040,2543.24 4040,2523.24 ; 4040,2533.24 4040,2558.24 ; 4330,2380 4330,2405 ; 4330,2415 4330,2395 4350,2415 4350,2380 4335,2395
  text "VESC 75_100 V5.0" at 3520,2605 h40
  text "T 5V A B C GND" at 3605,2440 h30
  text "P 5V GND" at 2344.49,2030 h30
  text "A1 A2 TX RX 3V 5V GND" at 3140,2030 h30
Bottom Overlay:
  drawing of 3479 lines, arcs and shapes, not listed
  text "+1s" at 2755.87,2728.5 h40
Top Solder:
  rectangle: 4755,3345 4815,3425
  rectangle: 4755,3000 4810,3080
  rectangle: 2715.59,2980 2825.59,3050
  rectangle: 4515,2980 4615.59,3050
  rectangle: 3620,2980 3730,3050
  lines w70: 2395,2991.18 2395,3060 2395,3135 2449.49,3189.49 2449.49,3390 ; 3299.41,2991.18 3299.41,3060 3299.41,3135 3353.9,3189.49 3353.9,3390 ; 4198.82,2996.18 4198.82,3065 4198.82,3140 4253.31,3194.49 4253.31,3390
Bottom Solder:
  rectangle: 1880,3335 4250,3425
  rectangle: 4570,3175 4779.41,3290
  rectangle: 2761.18,3175 2970.59,3290
  rectangle: 3665.59,3175 3875,3290
  rectangle: 1880,2859.63 4785,2950
  lines w94.49: 2244.49,3253.98 2244.49,3380 ; 3148.9,3253.98 3148.9,3380 ; 4053.31,3253.98 4053.31,3380
Mechanical 1:
  lines w10: 1855,1968.46 1855,1810 1975,1810 1975,1973.46 4720,1973.46 4720,1810 4840,1810 4840,1968.46 ; 1855,1968.5 1855,3464.57 1985.43,3464.57 2050,3464.57 ; 2050,3465 4645,3465 ; 4645,3464.57 4774.41,3464.57 4840,3464.57 4840,1968.5